# Altium PCB EBAZ4205.PcbDoc (part 4 of 6)
Units mm, origin at the board's own origin, x right, y up, seen from the top; angles counter-clockwise.
Board outline 100.3 x 97 mm, 4 copper layers (Top Layer, MidLayer1, MidLayer2, Bottom Layer); 565 components, 392 nets, 1912 pads, 1242 vias.
Unrouted connection lines stored in the file: 7.
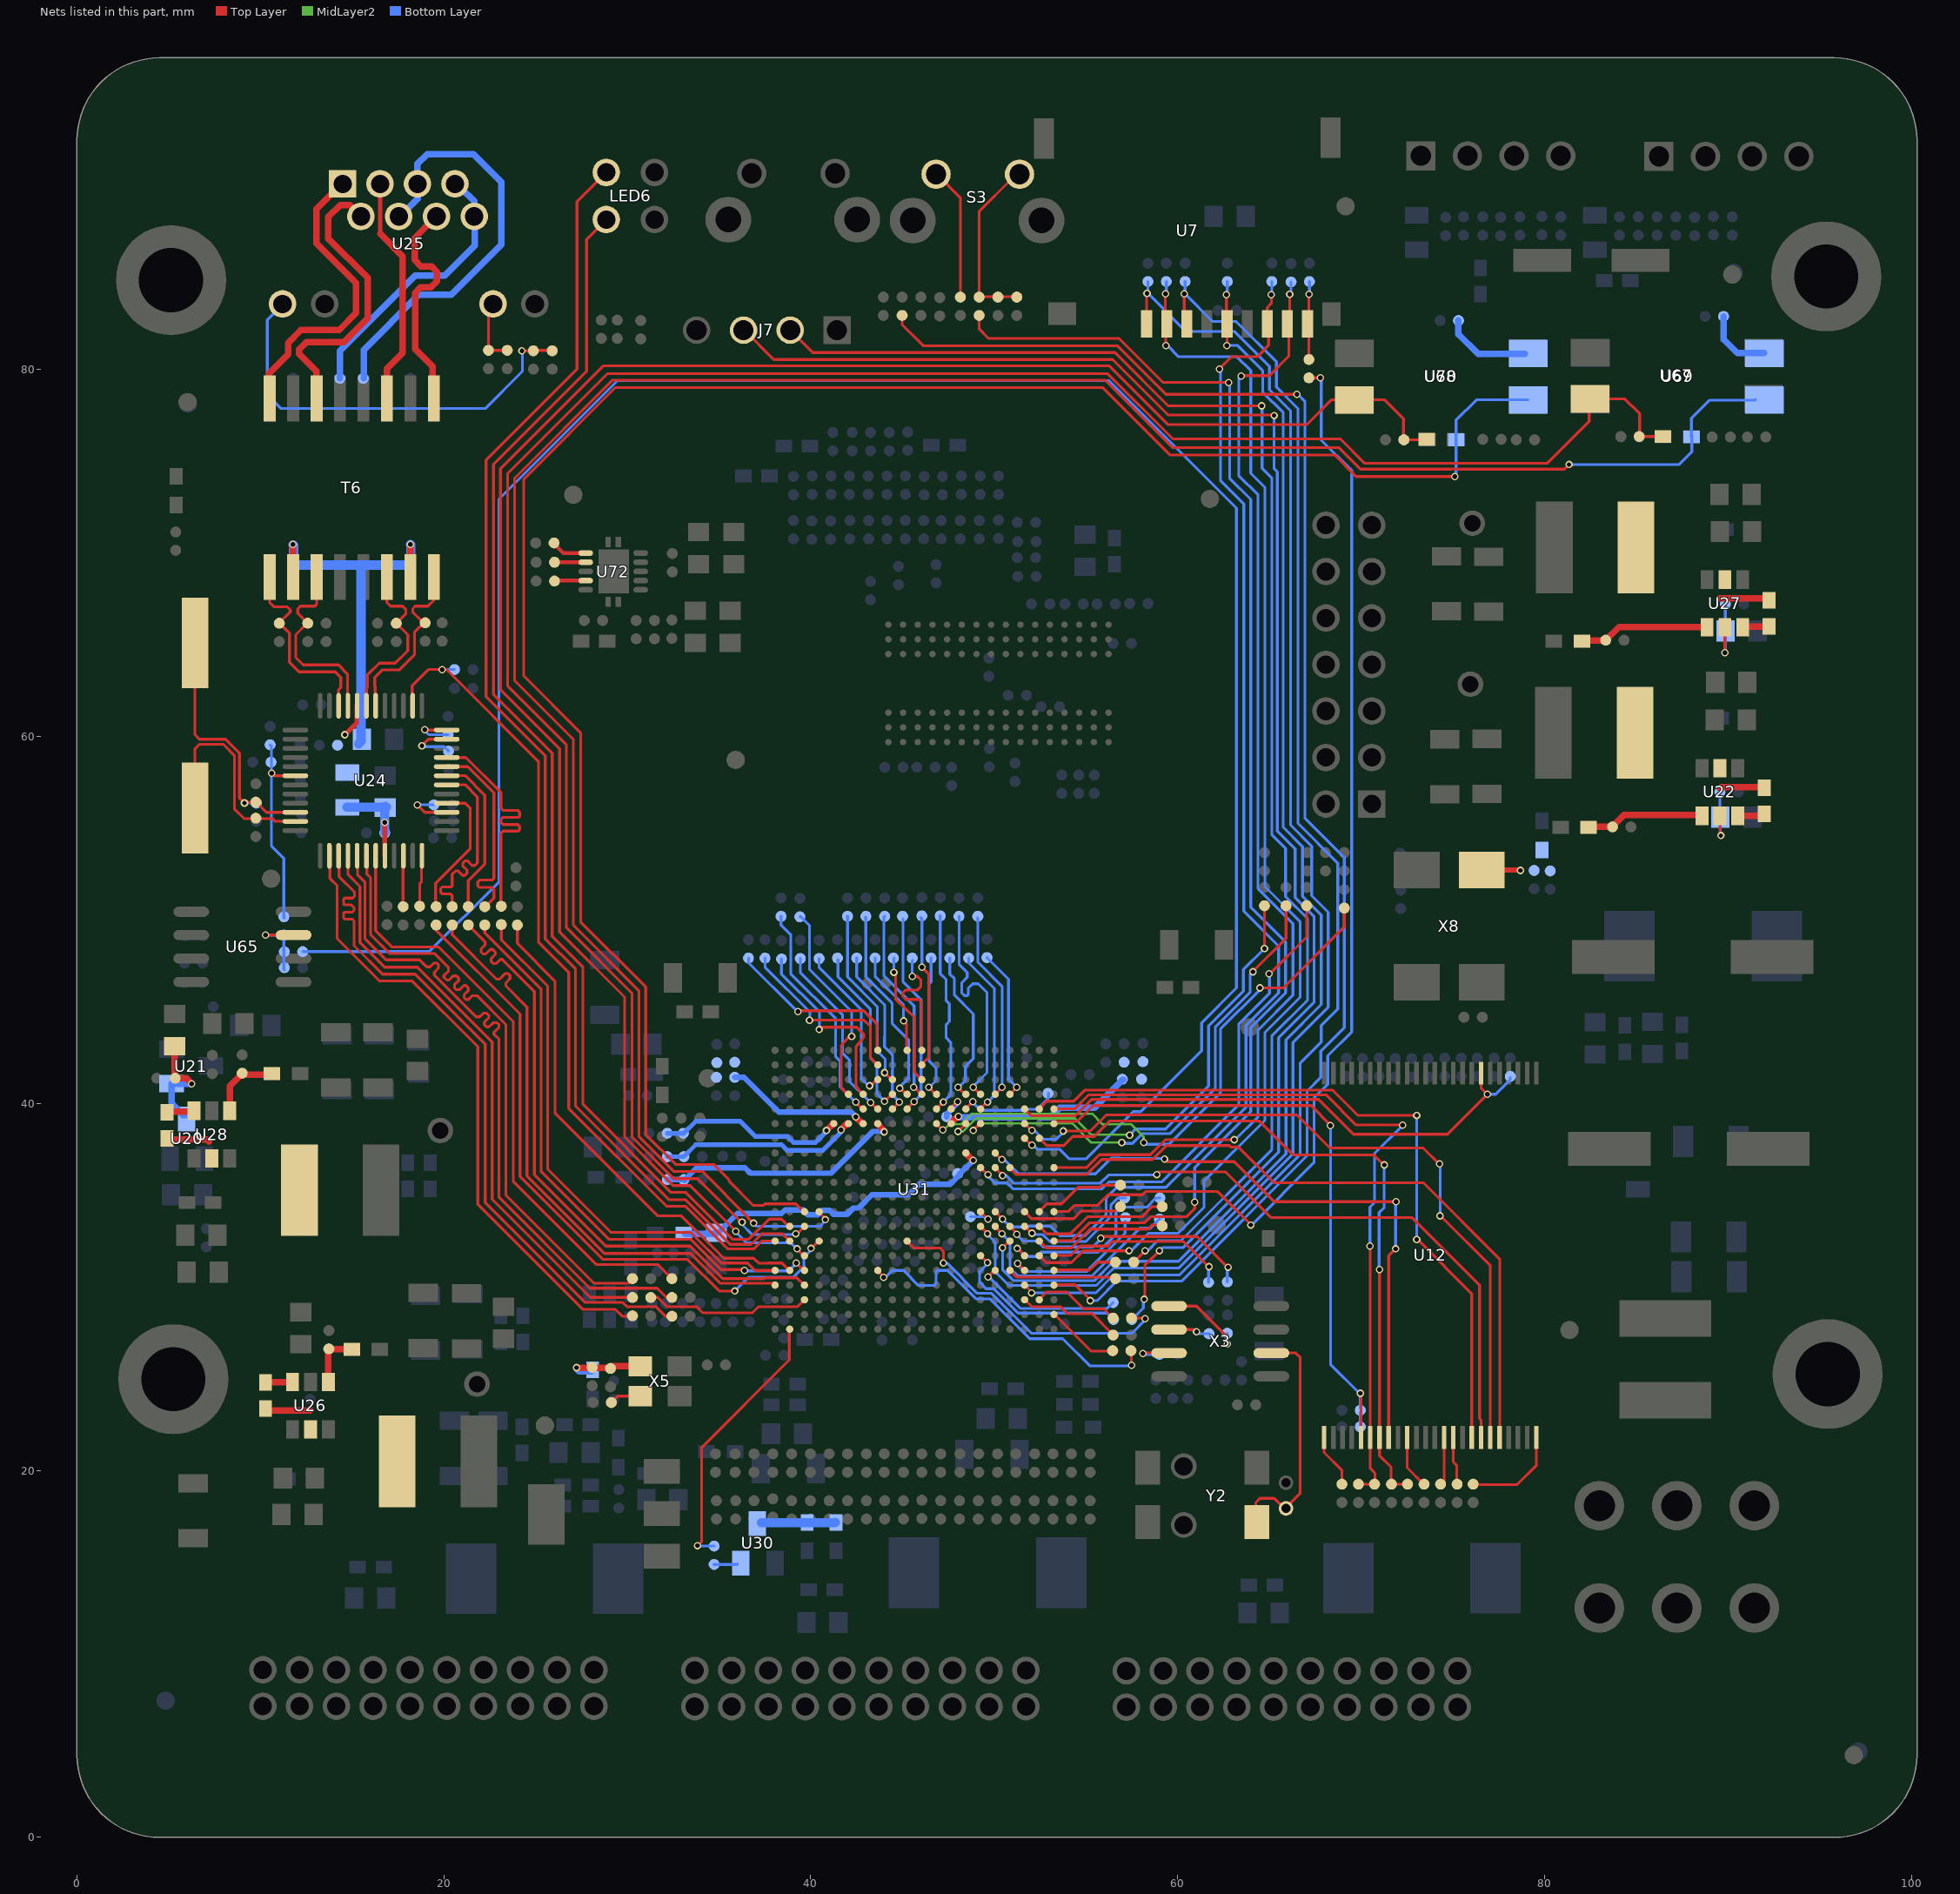
[diagram p6: the nets of this part, all layers, seen from the top]

## Via types
v1: diameter 0.406, hole 0.254, Top Layer to Bottom Layer, 1172 vias
v2: diameter 0.406, hole 0.254, Top Layer to Bottom Layer, tented both sides, 70 vias

## Nets (pads, with @x,y where several pads share a name; then routed paths per layer and width w, separated by ;. In a path a pad name is that pad's centre, name@x,y a point inside that pad or via, vN(x,y) a via of type N, cw(c..) or ccw(c..) an arc to the next point about the centre after c; other vN are vias at no path point) (continued)
NetS3_3: C2410.2 R2648.2 R2650.2 S3.3 | length 9.3
  Top Layer w0.152: R2650.2@49.156,84.006 49.181,83.981 51.181,83.981 R2648.2@51.206,83.956 ; R2650.2@49.181,83.956 49.181,88.631 S3.3@50.956,90.406
NetS3_4: R2641A.2 S3.4 | length 7.2
  Top Layer w0.152: S3.4@46.831,90.656 46.881,90.656 48.156,89.381 48.156,84.131 R2641A.2@48.106,84.081
NetT6_1: R1388.2 T6.1 U24.34 | length 10.4
  Top Layer w0.152: T6.1@10.506,68.706 10.506,67.306 10.731,67.081 11.456,67.081 11.631,66.906 11.631,66.806 R1388.2@10.981,66.156 ; R1388.2@11.031,66.181 11.581,65.631 11.581,64.056 12.106,63.531 14.081,63.531 14.381,63.231 14.381,62.681 14.256,62.556 U24.34@14.256,62.081
NetT6_3: R1411.2 T6.3 U24.33 | length 10.5
  Top Layer w0.152: R1411.2@12.506,66.131 11.931,65.556 11.931,64.306 12.331,63.906 14.256,63.906 14.744,63.417 U24.33@14.744,61.681 ; R1411.2@12.531,66.231 12.031,66.731 12.031,66.956 12.181,67.106 12.956,67.106 13.063,67.213 T6.3@13.063,68.706
NetT6_6: R1406.2 T6.6 U24.31 | length 9.3
  Top Layer w0.152: U24.31@15.781,62.006 15.781,62.631 15.831,62.681 15.831,63.356 16.481,64.006 17.356,64.006 18.031,64.681 18.031,65.556 R1406.2@17.406,66.181 ; T6.6@16.899,68.706 16.899,67.313 17.106,67.106 17.756,67.106 17.931,66.931 17.931,66.706 R1406.2@17.506,66.281
NetT6_8: R1409.2 T6.8 U24.30 | length 9.7
  Top Layer w0.152: U24.30@16.258,61.681 16.258,62.728 16.231,62.756 16.231,63.231 16.631,63.631 17.556,63.631 18.406,64.481 18.406,65.706 R1409.2@18.906,66.206 ; R1409.2@18.831,66.256 18.306,66.781 18.306,66.981 18.431,67.106 19.131,67.106 19.456,67.431 T6.8@19.456,68.706
NetU7_9: R166.1 R167.2 U7.9 | length 4.3
  Top Layer w0.152: U7.9@67.081,82.506 67.156,82.581 v1(67.156,84.106) ; U7.9@67.131,82.506 67.156,82.481 R167.2@67.156,80.556
  Bottom Layer w0.152: R166.1@67.181,84.806 67.181,84.156 v1@67.206,84.131
NetU12_25: R248.2 U12.25 | length 2.9
  Top Layer w0.152: U12.25@67.981,21.806 67.981,20.981 68.956,20.006 R248.2@68.956,19.306
NetU12_34: R247.2 U12.34 | length 3
  Top Layer w0.152: U12.34@72.51,21.806 72.51,20.151 73.431,19.231 R247.2@73.456,19.231
NetU12_38: R246.2 U12.38 | length 2.6
  Top Layer w0.152: R246.2@74.406,19.281 74.523,19.398 U12.38@74.523,21.806
NetU12_39: R245.2 U12.39 | length 2.7
  Top Layer w0.152: U12.39@75.026,21.806 75.026,20.46 75.206,20.281 R245.2@75.206,19.206
NetU12_48: R244.2 U12.48 | length 5.4
  Top Layer w0.152: R244.2@76.106,19.231 78.506,19.231 79.556,20.281 U12.48@79.556,21.806
NetU20_3: C628.1 R2599.2 U20.3 U21.1 | length 6.1
  Top Layer w0.356: C628.1@5.331,43.131 5.331,41.406 R2599.2@5.356,41.381 5.956,41.381 v1(6.256,41.081)
  Bottom Layer w0.356: U20.3@6.056,39.381 5.781,39.381 5.156,40.006 U21.1@5.156,41.081 v1(6.256,41.081)
NetU22_2: C295.2 L7.2 U22.2 | length 2.5
  Top Layer w0.356: 89.556,57.206 89.606,57.256 91.931,57.256 C295.2@91.981,57.206
NetU22_4: R1333.2 R1336.1 U22.4 | length 6.4
  Top Layer w0.356: R1333.2@82.406,55.056 82.431,55.081 83.681,55.081 84.331,55.731 88.531,55.731 U22.4@88.556,55.706
NetU22_5: C294.2 R2603.1 U22.5 | length 3.3
  Top Layer w0.152: U22.5@89.556,55.681 89.556,54.656 v1(89.606,54.606)
  Bottom Layer w0.152: R2603.1@89.556,56.981 89.556,55.956 C294.2@89.606,55.906 ; v1@89.581,54.531 C294.2@89.581,55.606
NetU22_6: C295.1 U22.6 | length 1.4
  Top Layer w0.356: U22.6@90.481,55.681 91.631,55.681 C295.1@91.731,55.781 ; C295.1@91.956,55.831 91.956,55.806 C295.1@91.981,55.781
NetU24_10: R1392.2 U24.10 | length 2.8
  Top Layer w0.152: U24.10@17.772,53.506 17.772,50.74 R1392.2@17.781,50.731
NetU24_12: R1386.2 U24.12 | length 2.8
  Top Layer w0.152: R1386.2@18.706,50.781 18.681,50.806 18.681,51.981 18.781,52.081 U24.12@18.781,53.506
NetU24_15: R1381.2 U24.15 | length 2.6
  Top Layer w0.152: v1(18.556,56.281) 18.96,55.876 U24.15@20.131,55.876
  Bottom Layer w0.152: v1(18.556,56.281) R1381.2@19.456,56.281
NetU24_16: R1410.2 U24.16 | length 7.5
  Top Layer w0.152: R1410.2@19.556,50.756 19.556,52.006 21.431,53.881 21.431,56.106 21.163,56.374 U24.16@20.131,56.374
NetU24_18: R1405.2 U24.18 | length 10.7
  Top Layer w0.152: R1405.2@20.456,50.731 20.456,51.331 20.356,51.431 19.906,51.431 19.831,51.506 19.831,51.731 19.906,51.806 20.406,51.806 20.456,51.856 20.456,52.506 20.631,52.681 20.781,52.681 21.031,52.431 21.131,52.431 21.256,52.556 21.256,52.731 21.031,52.956 21.031,53.106 21.156,53.231 21.281,53.231 21.531,52.981 21.681,52.981 21.831,53.131 21.831,56.706 21.156,57.381 U24.18@20.481,57.381
NetU24_19: R1397.2 U24.19 | length 8.7
  Top Layer w0.152: U24.19@20.406,57.881 21.156,57.881 22.231,56.806 22.231,53.056 21.331,52.156 R1397.2@21.331,50.731
NetU24_20: R1394.2 U24.20 | length 11.1
  Top Layer w0.152: U24.20@20.131,58.365 21.297,58.365 22.731,56.931 22.731,52.281 22.631,52.181 21.956,52.181 21.856,52.081 21.856,51.856 21.931,51.781 22.606,51.781 22.731,51.656 22.731,51.206 R1394.2@22.281,50.756
NetU24_21: R1391.2 U24.21 | length 13.6
  Top Layer w0.152: U24.21@20.131,58.862 21.199,58.862 23.106,56.956 23.106,56.106 23.231,55.981 24.031,55.981 24.131,55.881 24.131,55.656 24.081,55.606 23.231,55.606 23.106,55.481 23.106,55.331 23.231,55.206 24.031,55.206 24.131,55.106 24.131,54.931 24.056,54.856 23.231,54.856 23.106,54.731 23.106,50.781 R1391.2@23.131,50.756
NetU24_23: R1408.2 U24.23 | length 3
  Top Layer w0.152: v1(18.806,59.506) 19.158,59.858 U24.23@20.131,59.858
  Bottom Layer w0.152: v1@18.856,59.456 20.006,59.456 R1408.2@20.256,59.206
NetU24_24: R1396.1 U24.24 | length 2.6
  Top Layer w0.152: v1(18.956,60.381) 18.981,60.356 U24.24@20.131,60.356
  Bottom Layer w0.152: v1@18.931,60.356 19.181,60.106 R1396.1@20.231,60.106
NetU24_46: C380.1 R1485.2 U24.46 Y3.2 | length 13
  Top Layer w0.152: Y3.2@6.231,63.906 6.431,63.706 6.431,60.106 6.681,59.856 8.106,59.856 8.856,59.106 8.856,56.656 v1(9.131,56.381) 9.181,56.431 C380.1@9.756,56.431 ; C380.1@9.831,56.381 10.335,55.876 U24.46@11.881,55.876
  Bottom Layer w0.152: v1@9.206,56.381 R1485.2@9.781,56.381
NetU24_47: C377.2 U24.47 Y3.1 | length 12
  Top Layer w0.152: Y3.1@6.431,56.106 6.431,59.331 6.681,59.581 7.981,59.581 8.581,58.981 8.581,56.056 9.106,55.531 10.656,55.531 10.806,55.381 U24.47@11.631,55.381
NetU25_1: T6.16 U25.1 | length 16
  Top Layer w0.356: T6.16@10.481,78.831 10.481,79.806 11.506,80.831 11.506,81.456 12.206,82.156 14.281,82.156 15.206,83.081 15.206,84.731 13.056,86.881 13.056,88.756 ; 13.131,88.831 U25.1@14.506,90.206 ; U25.1@14.431,90.131 U25.1@14.506,90.131
NetU25_2: T6.14 U25.2 | length 15.9
  Top Layer w0.356: T6.14@13.056,78.781 13.056,79.906 12.106,80.856 12.106,81.106 12.506,81.506 14.556,81.506 15.856,82.806 15.856,85.006 13.706,87.156 13.706,88.331 14.356,88.981 14.881,88.981 U25.2@15.506,88.356
NetU25_3: T6.11 U25.3 | length 12.2
  Top Layer w0.254: 16.531,87.406 16.531,89.606 U25.3@16.631,89.706
  Top Layer w0.356: 16.531,87.406 17.756,86.181 17.756,80.906 16.899,80.048 T6.11@16.899,78.431
NetU25_4: R1404.2 U25.4 U25.5 | length 23.3
  Bottom Layer w0.356: R1404.2@15.631,79.531 15.631,81.081 18.631,84.081 20.406,84.081 23.131,86.806 23.131,90.231 21.606,91.756 19.106,91.756 18.564,91.214 U25.5@18.564,90.131 ; U25.4@17.539,88.356 17.606,88.356 18.581,89.331 U25.5@18.581,89.806
NetU25_6: T6.9 U25.6 | length 12.4
  Top Layer w0.356: T6.9@19.456,78.431 19.381,78.506 19.381,80.181 18.431,81.131 18.431,84.181 18.731,84.481 19.281,84.481 19.631,84.831 19.631,85.331 19.331,85.631 18.756,85.631 18.406,85.981 18.406,87.181 U25.6@19.506,88.281
NetU25_7: R1407.2 U25.7 U25.8 | length 14.4
  Bottom Layer w0.356: R1407.2@14.331,79.531 14.331,81.031 18.431,85.131 20.056,85.131 21.681,86.756 U25.8@21.681,88.056 ; U25.7@20.931,89.906 21.656,89.181 U25.8@21.656,88.356
NetU25_10: C659.2 R1389.2 U25.10 | length 3.5
  Top Layer w0.152: U25.10@22.656,83.456 22.431,83.231 R1389.2@22.431,81.056 C659.2@23.481,81.056
NetU25_12: C660.2 R1412.2 U25.12 | length 23.1
  Top Layer w0.152: v1(24.256,81.031) C660.2@24.881,81.031 ; C660.2@24.831,81.006 24.881,81.056 R1412.2@25.806,81.056
  Bottom Layer w0.152: U25.12@11.206,83.581 11.206,83.531 10.381,82.706 10.381,78.631 11.131,77.881 22.256,77.881 24.281,79.906 v1@24.281,81.031
NetU26_2: C386A.1 L31.1 U26.2 | length 2.5
  Top Layer w0.356: C386A.1@10.281,23.381 10.381,23.281 12.706,23.281 12.731,23.306
NetU26_4: R1414.1 R1415.1 U26.4 | length 3.1
  Top Layer w0.356: U26.4@13.706,24.831 13.706,26.631 13.731,26.606 R1414.1@14.981,26.606
NetU26_6: C386A.2 U26.6 | length 1.5
  Top Layer w0.356: C386A.2@10.281,24.806 11.731,24.806 U26.6@11.756,24.831
NetU27_2: C393.2 L32.2 U27.2 | length 2.7
  Top Layer w0.356: 89.556,67.531 92.131,67.531 C393.2@92.231,67.431
NetU27_4: R1417.2 R1418.1 U27.4 | length 7.3
  Top Layer w0.356: R1417.2@82.031,65.206 82.056,65.231 83.306,65.231 84.056,65.981 88.931,65.981 U27.4@88.956,66.006
NetU27_5: C395.2 R2604.1 U27.5 | length 4.2
  Top Layer w0.152: v1(89.831,64.581) U27.5@89.831,65.956
  Bottom Layer w0.152: R2604.1@89.856,67.331 C395.2@89.856,65.756 89.856,64.581 v1@89.881,64.556
NetU27_6: C393.1 U27.6 | length 1.4
  Top Layer w0.356: U27.6@90.831,65.931 90.906,66.006 C393.1@92.231,66.006
NetU28_2: C400.1 L33.1 U28.2 | length 2.4
  Top Layer w0.356: C400.1@4.906,38.106 4.981,38.031 7.106,38.031 7.206,37.931
NetU28_4: R1420.1 R1421.1 U28.4 | length 3.8
  Top Layer w0.356: U28.4@8.331,39.606 8.331,40.956 8.956,41.581 R1420.1@10.556,41.581
NetU28_6: C400.2 U28.6 | length 1.4
  Top Layer w0.356: C400.2@4.881,39.556 6.206,39.556 U28.6@6.231,39.581
NetU30_2: R1481.1 U30.2 | length 1.3
  Bottom Layer w0.152: R1481.1@34.731,14.881 35.981,14.881 U30.2@36.006,14.906
NetU30_3: R1482.1 R1483.1 U30.3 | length 4
  Bottom Layer w0.508: U30.3@37.306,17.156 R1483.1@39.806,17.156 41.306,17.156 R1482.1@41.331,17.181
NetU31_A16: R2436.1 U31.A16 | length 3.5
  Top Layer w0.152: U31.A16@53.256,30.925 55.201,30.925 55.631,31.356 R2436.1@56.531,31.356
NetU31_A19: R2608.1 U31.A19 | length 3.9
  Top Layer w0.152: U31.A19@53.256,28.529 55.28,26.506 R2608.1@56.281,26.506
NetU31_B12: R2447.1 U31.B12 | length 5
  Top Layer w0.152: U31.B12@52.452,34.12 52.862,34.531 53.681,34.531 54.581,35.431 55.756,35.431 55.881,35.556 R2447.1@56.831,35.556
NetU31_B13: R2543.1 U31.B13 | length 7.4
  Top Layer w0.152: U31.B13@52.452,33.321 52.872,32.901 54.151,32.901 55.081,33.831 58.056,33.831 58.606,34.381 R2543.1@59.106,34.381
NetU31_B14: R2446.1 U31.B14 | length 7.3
  Top Layer w0.152: U31.B14@52.452,32.523 52.844,32.131 54.206,32.131 55.231,33.156 58.381,33.156 58.606,33.381 R2446.1@59.031,33.381
NetU31_B18: R2609.1 U31.B18 | length 4.9
  Top Layer w0.152: U31.B18@52.452,29.328 52.453,29.328 52.856,29.731 53.956,29.731 54.881,28.806 55.981,28.806 R2609.1@56.581,28.206
NetU31_C12: R2445.1 U31.C12 | length 7.6
  Top Layer w0.152: U31.C12@51.648,34.12 52.037,33.731 ; 53.956,33.731 52.037,33.731 ; R2445.1@56.756,34.306 R2445.1@56.831,34.381 ; R2445.1@56.799,34.349 56.596,34.146 54.741,34.146 54.326,33.731 52.037,33.731
NetU31_C13: R2442.2 U31.C13 | length 7.1
  Top Layer w0.152: U31.C13@51.648,33.321 52.006,32.964 v1@52.006,32.956
  Bottom Layer w0.152: v1@52.056,32.856 52.656,32.856 53.031,32.481 55.006,32.481 56.36,33.835 56.36,34.46 56.756,34.856 R2442.2@57.156,34.856
  other v1: 52.056,32.931
NetU31_C15: R2434.2 U31.C15 | length 10.6
  Top Layer w0.152: v1(51.256,32.106) 51.266,32.106 U31.C15@51.648,31.724
  Bottom Layer w0.152: v1@51.256,32.031 v1(51.256,32.106) 51.699,31.662 52.312,31.662 52.556,31.906 54.022,31.906 ; 54.022,31.901 55.662,31.901 56.635,32.874 56.635,34.081 56.907,34.352 58.314,34.352 58.817,34.856 R2434.2@59.031,34.856
NetU31_C16: R2441.2 U31.C16 | length 8.1
  Top Layer w0.152: v1(51.281,31.281) 51.636,30.925 U31.C16@51.648,30.925
  Bottom Layer w0.152: v1(51.281,31.281) 51.281,31.206 51.637,30.849 55.049,30.849 57.131,32.931 R2441.2@57.131,33.581
NetU31_C18: R2444.1 U31.C18 | length 5.6
  Top Layer w0.152: U31.C18@51.648,29.328 52.045,28.931 53.606,28.931 53.985,28.552 55.335,28.552 56.431,27.456 R2444.1@56.431,27.406
NetU31_D16: R2445B.1 U31.D16 | length 5.9
  Top Layer w0.152: U31.D16@50.844,30.925 51.239,30.531 56.531,30.531 R2445B.1@56.581,30.481
NetU31_E13: R2443.2 U31.E13 | length 12.2
  Top Layer w0.152: U31.E13@50.04,33.321 50.04,33.296 v1(50.431,32.906)
  Bottom Layer w0.152: v1@50.456,32.881 50.856,32.481 50.856,31.031 51.291,30.595 55.32,30.595 57.931,33.206 58.506,33.206 R2443.2@59.006,33.706
NetU31_E16: R2435.2 U31.E16 | length 8.3
  Top Layer w0.152: v1(49.656,30.556) 50.026,30.925 U31.E16@50.04,30.925
  Bottom Layer w0.152: v1@49.631,30.606 49.656,30.606 51.427,28.835 56.16,28.835 R2435.2@56.481,29.156
NetU31_F12: R2539.2 U31.F12 | length 1.6
  Top Layer w0.152: U31.F12@49.236,34.12 49.651,33.706 v1(49.656,33.706)
  Bottom Layer w0.152: R2539.2@48.706,33.831 49.481,33.831 v1@49.656,33.656
NetU31_F15: R2437.2 U31.F15 | length 9.8
  Top Layer w0.152: U31.F15@49.236,31.724 49.237,31.724 v1(49.631,31.331)
  Bottom Layer w0.152: v1@49.606,31.231 49.206,30.831 49.206,30.256 49.552,29.91 49.977,29.91 51.306,28.581 56.156,28.581 R2437.2@56.506,28.231
NetU31_G5: R2457.2 U31.G5 | length 5.4
  Top Layer w0.152: U31.G5@48.432,39.711 48.436,39.711 v1(48.831,40.106)
  Bottom Layer w0.152: v1(48.831,40.106) 48.831,40.056 49.256,39.631 51.525,39.631 51.582,39.688 52.339,39.688 52.956,40.306 R2457.2@52.956,40.556
NetU31_G8: C2349.2 C2350.2 FB10.1 U31.G8 | length 18.1
  Top Layer w0.356: U31.G8@48.432,37.315 48.841,36.906 v1(48.856,36.906)
  Bottom Layer w0.305: C2349.2@35.081,33.081 36.006,34.006 38.406,34.006 38.606,34.206 39.581,34.206 39.856,33.931 40.374,33.931 40.624,34.181 41.031,34.181 41.256,33.956 41.973,33.956 42.323,34.306 42.606,34.306 43.331,35.031 45.331,35.031 45.906,35.606 47.606,35.606 48.106,36.106 48.106,36.156 v1(48.856,36.906)
  Bottom Layer w0.356: FB10.1@33.156,32.906 34.806,32.906 C2349.2@34.856,32.956
NetU31_H5: R2456.1 U31.H5 | length 1.5
  Top Layer w0.152: U31.H5@47.628,39.711 47.628,39.728 v1(48.006,40.106)
  Bottom Layer w0.305: R2456.1@47.406,39.281 47.406,39.431 v1@48.006,40.031
NetU31_H6: C2303.1 C2304.2 R2458.1 R2459.2 U31.H6 | length 10.4
  Top Layer w0.356: U31.H6@47.628,38.912 48.006,39.29 v1@48.006,39.306
  Bottom Layer w0.356: v1@48.056,39.256 51.67,39.256 51.735,39.32 52.377,39.32 52.441,39.256 53.056,39.256 53.581,39.781 55.481,39.781 56.981,41.281 C2304.2@57.031,41.281
  other v1: 48.056,39.306
NetU31_N6: R1494.1 R1499.2 U31.N6 | length 13.9
  Top Layer w0.356: U31.N6@43.608,38.912 44.006,38.515 44.006,38.506 43.868,38.644
  Bottom Layer w0.305: R1494.1@32.181,35.856 R1499.2@33.081,35.856 33.131,35.806 33.131,35.856 33.781,36.506 36.406,36.506 36.706,36.206 41.106,36.206 43.381,38.481 v1@43.906,38.481
  other v1: 44.006,38.456
NetU31_P6: C1985.1 C1987.2 R2159.1 R2161.2 U31.P6 | length 8
  Top Layer w0.356: v1(42.456,39.281) 42.456,39.261 U31.P6@42.805,38.912
  Bottom Layer w0.305: C1987.2@35.856,41.431 36.356,41.431 38.256,39.531 42.206,39.531 v1(42.456,39.281)
NetU31_R6: R1495.1 R1497.2 U31.R6 | length 10.8
  Top Layer w0.356: v1@41.631,38.556 41.987,38.912 U31.R6@42.001,38.912
  Bottom Layer w0.254: R1495.1@32.181,37.106 R1497.2@33.081,37.106 33.731,37.756 38.406,37.756 38.706,37.456 40.656,37.456 41.631,38.431 v1@41.631,38.456
  other v1: 41.656,38.556
NetU31_T6: R1496.1 R1498.2 U31.T6 | length 10.2
  Top Layer w0.356: v1(40.856,38.531) 41.197,38.871 U31.T6@41.197,38.912
  Bottom Layer w0.254: R1496.1@32.181,38.381 33.081,38.381 33.731,39.031 36.156,39.031 36.981,38.206 38.731,38.206 39.056,37.881 40.256,37.881 v1@40.881,38.506
NetU31_V18: R2465.2 U31.V18 | length 8.9
  Top Layer w0.152: R2465.2@31.281,29.431 31.656,29.431 32.156,28.931 33.781,28.931 34.118,28.594 36.819,28.594 37.156,28.931 39.281,28.931 U31.V18@39.606,29.256
NetU65_7: R1401.2 R1950.2 R2392.2 U65.7 | length 4.4
  Top Layer w0.152: v1(10.281,49.181) U65.7@11.806,49.181
  Bottom Layer w0.152: v1@10.306,49.256 10.381,49.181 R1401.2@11.281,49.181 11.281,47.306 R1950.2@11.306,47.281
NetU69_1: R2551.2 U69.1 | length 3.8
  Bottom Layer w0.356: R2551.2@89.756,82.906 89.756,81.656 90.506,80.906 U69.1@91.956,80.906
NetU70_1: R3555.2 U70.1 | length 4.8
  Bottom Layer w0.356: R3555.2@75.306,82.681 75.306,81.931 76.381,80.856 U70.1@78.931,80.856
NetU72_6: C2400.2 U72.6 | length 1.9
  Top Layer w0.203: C2400.2@26.031,70.481 26.506,70.006 U72.6@27.706,70.006
NetU72_7: R2617.2 U72.7 | length 1.7
  Top Layer w0.203: R2617.2@26.031,69.506 U72.7@27.706,69.506
NetU72_9: R2619.2 U72.9 | length 1.7
  Top Layer w0.203: R2619.2@26.056,68.506 U72.9@27.706,68.506
NetX3_5: R122.1 X3.5 | length 4.9
  Top Layer w0.152: X3.5@59.531,28.956 61.031,28.956 62.706,27.281 v1(62.706,26.906)
  Bottom Layer w0.152: v1@62.631,26.881 62.706,26.956 R122.1@62.706,27.481
NetX3_6: R120.1 X3.6 | length 2.3
  Top Layer w0.152: X3.6@59.531,27.681 60.906,27.681 v1(61.031,27.556)
  Bottom Layer w0.152: v1@61.006,27.506 61.056,27.456 R120.1@61.706,27.456
NetX3_7: C71.2 X3.7 | length 2.3
  Top Layer w0.152: v1(58.106,26.381) 58.131,26.406 X3.7@59.531,26.406
  Bottom Layer w0.152: v1@58.131,26.406 58.206,26.331 C71.2@59.006,26.331
NetX5_1: R277.2 X5.1 | length 1.8
  Top Layer w0.152: R277.2@29.081,23.681 29.456,24.056 X5.1@30.706,24.056
NetX5_2: C362.2 C364.2 L29.1 X5.2 | length 4.4
  Top Layer w0.356: v1(27.231,25.606) 29.081,25.606 29.156,25.681 X5.2@30.706,25.681
  Bottom Layer w0.356: v1@27.256,25.531 27.381,25.406 28.031,25.406 L29.1@28.106,25.481
NetX8_4: C2285.2 C2287.2 L113.2 X8.4 | length 2.1
  Top Layer w0.305: X8.4@76.581,52.731 78.656,52.731 v1(78.681,52.706)
NetY2_7: X3.2 Y2.2 Y2.7 | length 13.2
  Top Layer w0.152: Y2.2@64.306,17.181 64.256,17.231 64.256,18.256 64.481,18.481 65.256,18.481 Y2.7@65.806,17.931 ; X3.2@65.106,26.406 66.431,26.406 66.681,26.156 66.681,18.756 Y2.7@65.881,17.956
PS-DDR-A0_0: R2517.1 U31.N2 | length 10
  Top Layer w0.152: v1(39.931,44.531) 39.956,44.556 42.856,44.556 43.256,44.221 43.256,42.494 U31.N2@43.608,42.107
  Bottom Layer w0.152: R2517.1@37.506,47.931 37.506,47.431 39.956,44.981 v1@39.956,44.606
PS-DDR-A1_0: R2518.1 U31.K2 | length 8.4
  Top Layer w0.152: U31.K2@46.02,42.107 46.431,42.517 46.431,47.056 v1(46.056,47.431)
  Bottom Layer w0.152: R2518.1@45.981,50.131 46.056,50.056 v1(46.056,47.431)
PS-DDR-A2_0: R2519.1 U31.M3 | length 9.9
  Top Layer w0.152: v1(44.031,41.681) 44.403,41.308 U31.M3@44.412,41.308
  Bottom Layer w0.152: R2519.1@42.006,50.206 42.006,46.906 43.631,45.281 43.631,42.856 44.056,42.431 v1@44.056,41.706
PS-DDR-A3_0: R2520.1 U31.K3 | length 7.2
  Top Layer w0.152: v1(44.531,47.156) 44.631,47.056 44.631,45.681 45.644,44.704 45.644,41.732 U31.K3@46.02,41.308
  Bottom Layer w0.152: v1(44.531,47.156) 44.531,47.906 R2520.1@44.556,47.931
PS-DDR-A4_0: R2521.1 U31.M4 | length 9.4